# Altium PCB GiroScope.PcbDoc (part 3 of 5)
Units mm, origin at the board's own origin, x right, y up, seen from the top; angles counter-clockwise.
Board outline 183.9 x 124.16 mm, 2 copper layers (Top Layer, Bottom Layer); 299 components, 122 nets, 3052 pads, 100 vias.
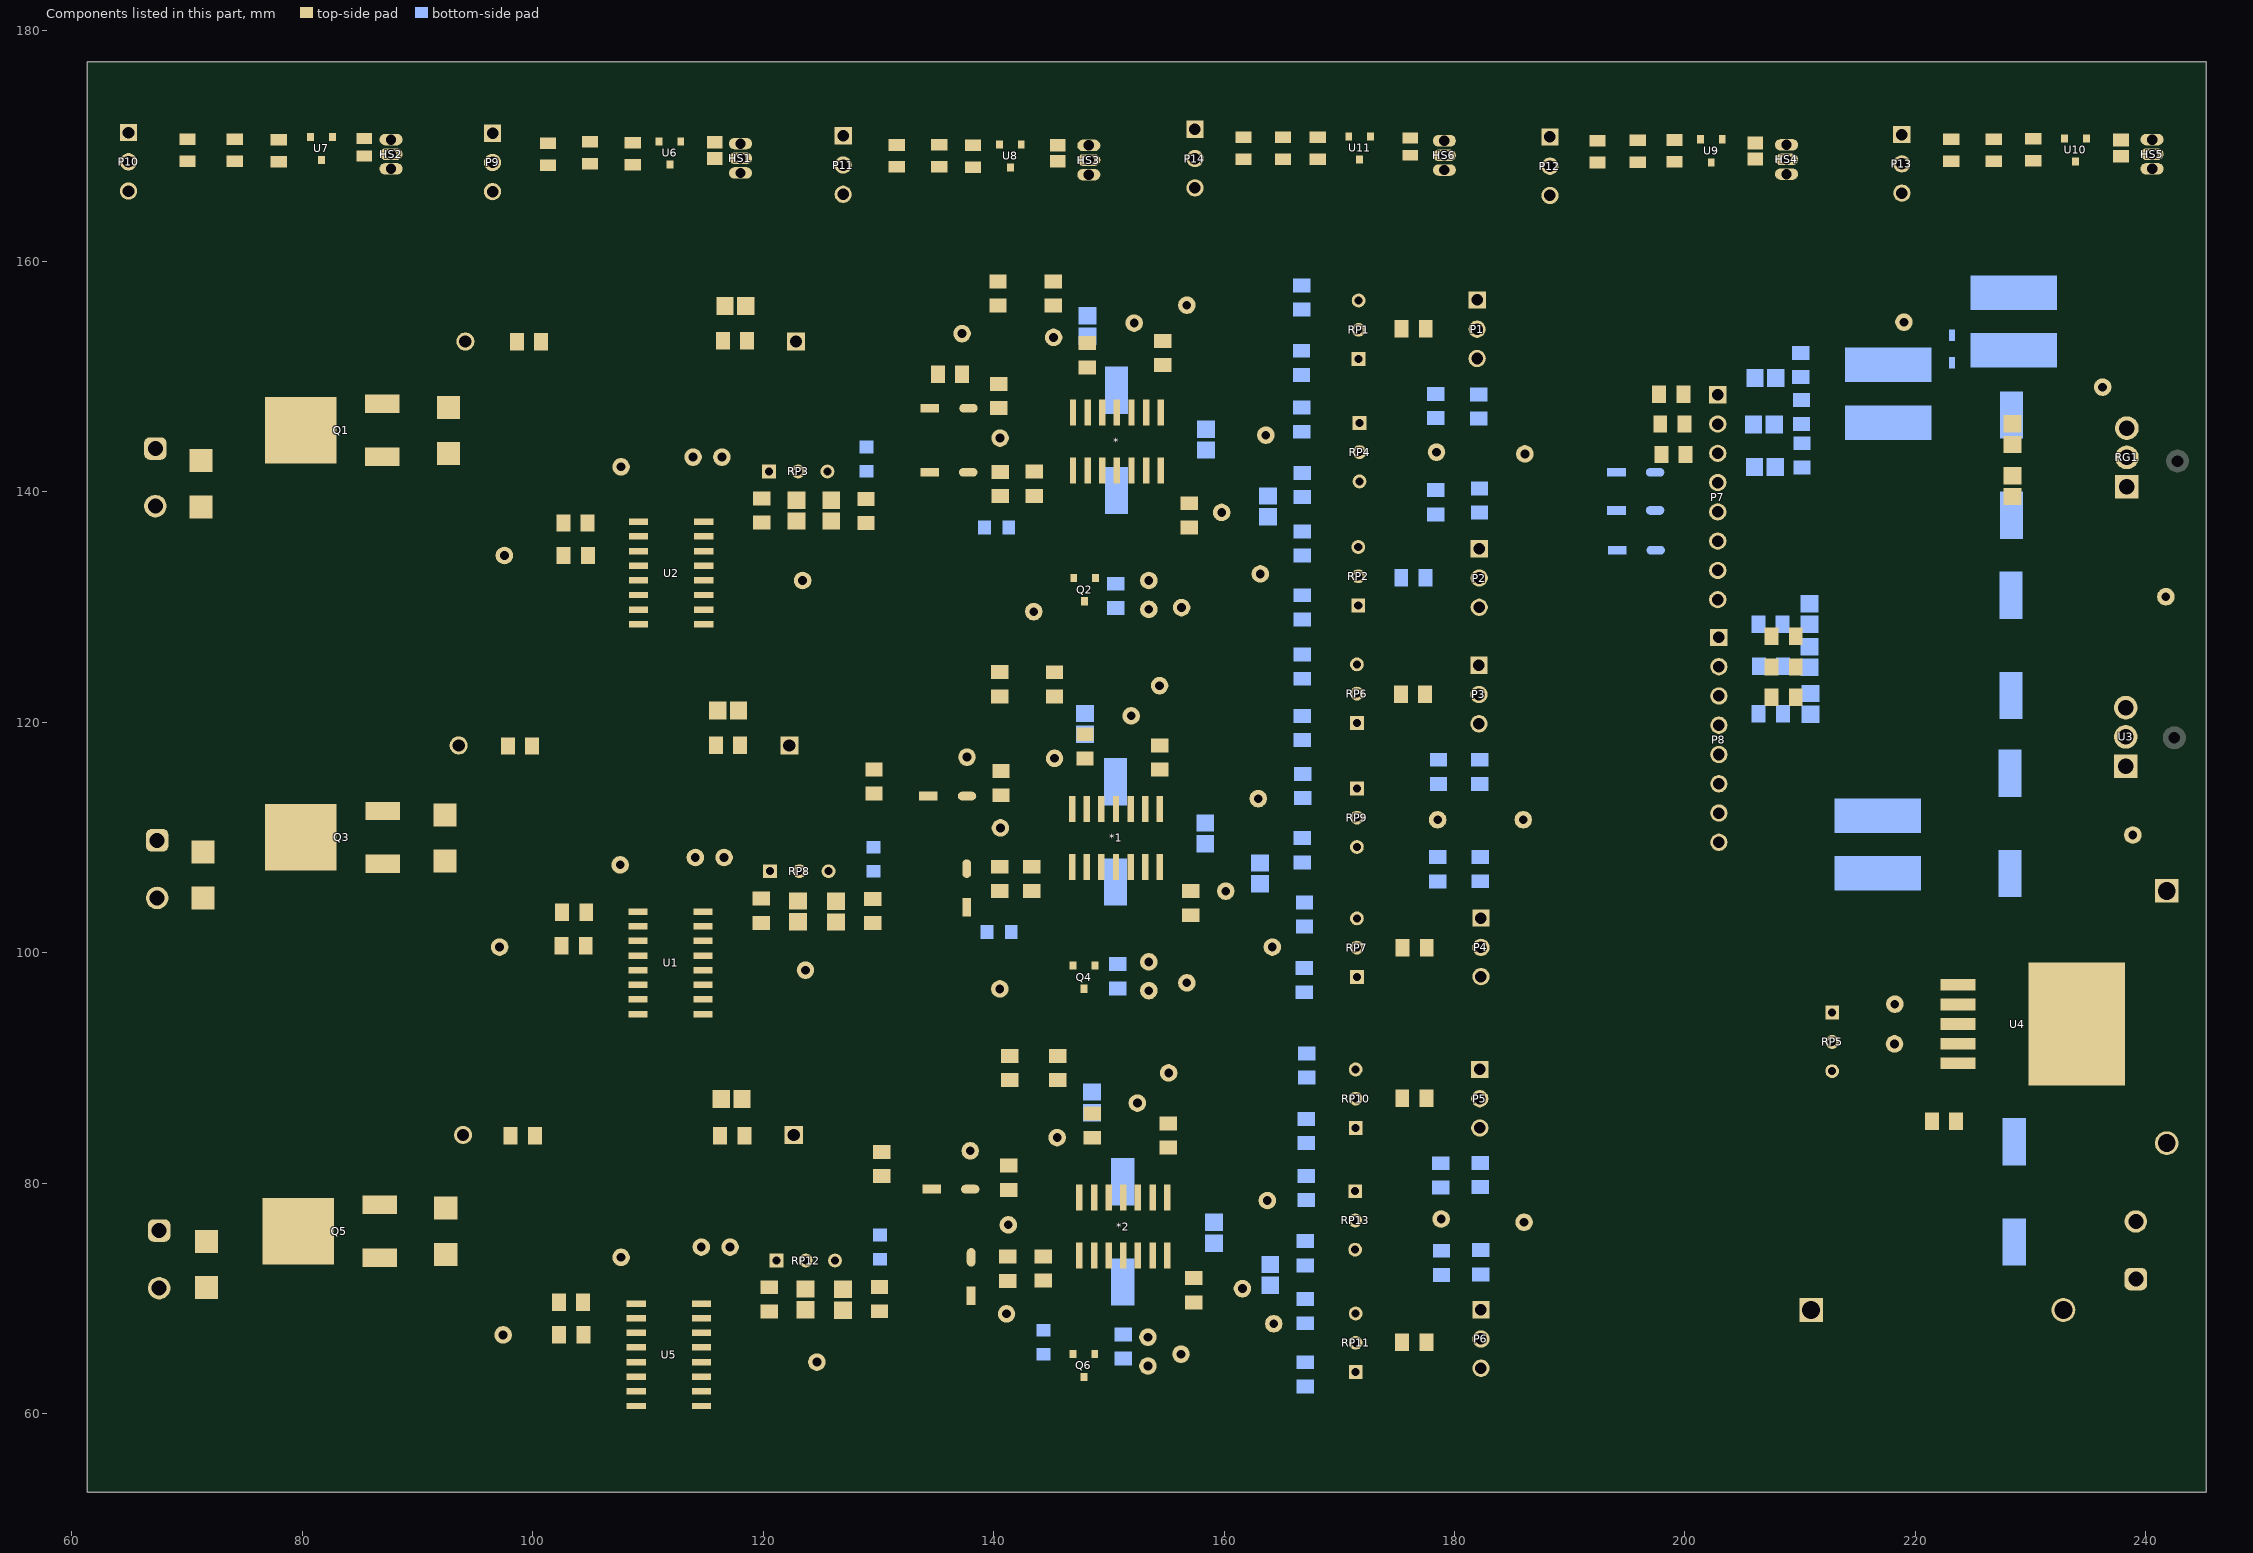
[diagram p3: the components of this part, seen from the top]

## Free pads (board coordinates)
  round 0.254 on Mech6: 1(61.163,126.771) 1(61.316,92.786) 1(245.288,92.786)
  round 0.025 on Mech7: 1(62.127,135.424) 1(62.127,135.424) 1(62.127,147.024) 1(62.127,147.024) 1(62.212,101.449) 1(62.212,101.449) 1(62.212,113.049) 1(62.212,113.049) 1(62.381,67.581) 1(62.381,67.581) 1(62.381,79.181) 1(62.381,79.181) 1(66.327,141.224) 1(66.412,107.249) 1(66.581,73.381) 1(66.827,140.724) 1(66.827,141.724) 1(66.912,106.749) 1(66.912,107.749) 1(67.081,72.881) 1(67.081,73.881) 1(67.327,141.224) 1(67.412,107.249) 1(67.581,73.381) 1(71.527,135.424) 1(71.527,135.424) 1(71.527,147.024) 1(71.527,147.024) 1(71.612,101.449) 1(71.612,101.449) 1(71.612,113.049) 1(71.612,113.049) 1(71.781,67.581) 1(71.781,67.581) 1(71.781,79.181) 1(71.781,79.181) 1(234.941,79.979) 1(234.941,79.979) 1(239.141,74.179) 1(239.641,73.679) 1(239.641,74.679) 1(240.141,74.179) 1(244.341,68.379) 1(244.341,68.379) 1(244.341,79.979) 1(244.341,79.979)
  round 0.1 on Mech14: 1(62.327,136.224) 1(62.327,136.224) 1(62.327,146.224) 1(62.327,146.224) 1(62.412,102.249) 1(62.412,102.249) 1(62.412,112.249) 1(62.412,112.249) 1(62.581,68.381) 1(62.581,68.381) 1(62.581,78.381) 1(62.581,78.381) 1(63.028,135.624) 1(63.028,135.624) 1(63.112,101.649) 1(63.112,101.649) 1(63.277,136.224) 1(63.277,136.224) 1(63.282,67.781) 1(63.282,67.781) 1(63.362,102.249) 1(63.362,102.249) 1(63.531,68.381) 1(63.531,68.381) 1(63.977,136.224) 1(63.978,136.224) 1(64.062,102.249) 1(64.062,102.249) 1(64.228,135.624) 1(64.228,135.624) 1(64.231,68.381) 1(64.232,68.381) 1(64.312,101.649) 1(64.312,101.649) 1(64.482,67.781) 1(64.482,67.781) 1(68.227,146.824) 1(68.227,146.824) 1(68.312,112.849) 1(68.312,112.849) 1(68.477,146.224) 1(68.477,146.224) 1(68.481,78.981) 1(68.481,78.981) 1(68.561,112.249) 1(68.561,112.249) 1(68.731,78.381) 1(68.731,78.381) 1(69.177,146.224) 1(69.178,146.224) 1(69.262,112.249) 1(69.262,112.249) 1(69.427,146.824) 1(69.427,146.824) 1(69.431,78.381) 1(69.432,78.381) 1(69.512,112.849) 1(69.512,112.849) 1(69.681,78.981) 1(69.681,78.981) 1(71.327,136.224) 1(71.327,136.224) 1(71.327,146.224) 1(71.327,146.224) 1(71.412,102.249) 1(71.412,102.249) 1(71.412,112.249) 1(71.412,112.249) 1(71.581,68.381) 1(71.581,68.381) 1(71.581,78.381) 1(71.581,78.381) 1(118.148,139.272) 1(118.148,139.272) 1(118.148,144.232) 1(118.148,144.232) 1(118.249,104.581) 1(118.249,104.581) 1(118.249,109.541) 1(118.249,109.541) 1(118.808,70.794) 1(118.808,70.794) 1(118.808,75.754) 1(118.808,75.754) 1(127.928,139.272) 1(127.928,139.272) 1(127.928,144.232) 1(127.928,144.232) 1(128.029,104.581) 1(128.029,104.581) 1(128.029,109.541) 1(128.029,109.541) 1(128.588,70.794) 1(128.588,70.794) 1(128.588,75.754) 1(128.588,75.754) 1(203.104,149.188) 1(210.104,149.188) 1(210.291,87.363) 1(210.291,87.363) 1(210.291,97.143) 1(210.291,97.143) 1(213.695,109.485) 1(215.251,87.363) 1(215.251,87.363) 1(215.251,97.143) 1(215.251,97.143) 1(223.069,107.47) 1(223.069,107.47) 1(223.069,116.37) 1(223.069,116.37) 1(223.145,121.52) 1(223.145,121.52) 1(223.145,130.42) 1(223.145,130.42) 1(223.196,138.566) 1(223.196,138.566) 1(223.196,147.466) 1(223.196,147.466) 1(223.348,70.012) 1(223.348,70.012) 1(225.644,106.07) 1(225.644,106.07) 1(225.72,131.82) 1(225.72,131.82) 1(225.771,137.166) 1(225.771,137.166) 1(226.219,106.07) 1(226.219,116.37) 1(226.295,121.52) 1(226.295,131.82) 1(226.346,137.166) 1(226.346,147.466) 1(228.219,104.22) 1(228.219,104.22) 1(228.219,104.22) 1(228.219,104.32) 1(228.219,104.32) 1(228.219,104.32) 1(228.295,133.57) 1(228.295,133.57) 1(228.295,133.57) 1(228.295,133.67) 1(228.295,133.67) 1(228.295,133.67) 1(228.346,135.316) 1(228.346,135.316) 1(228.346,135.316) 1(228.346,135.416) 1(228.346,135.416) 1(228.346,135.416) 1(230.219,106.07) 1(230.219,116.37) 1(230.295,121.52) 1(230.295,131.82) 1(230.346,137.166) 1(230.346,147.466) 1(230.498,78.912) 1(230.794,106.07) 1(230.794,106.07) 1(230.87,131.82) 1(230.87,131.82) 1(230.921,137.166) 1(230.921,137.166) 1(233.369,107.47) 1(233.369,107.47) 1(233.369,116.37) 1(233.369,116.37) 1(233.445,121.52) 1(233.445,121.52) 1(233.445,130.42) 1(233.445,130.42) 1(233.496,138.566) 1(233.496,138.566) 1(233.496,147.466) 1(233.496,147.466) 1(233.648,70.012) 1(233.648,70.012) 1(233.648,78.912) 1(233.648,78.912) 1(235.141,79.179) 1(235.141,79.179) 1(242.241,79.779) 1(242.241,79.779) 1(242.491,79.179) 1(242.491,79.179) 1(243.191,79.179) 1(243.191,79.179) 1(243.441,79.779) 1(243.441,79.779) 1(244.141,69.179) 1(244.141,69.179) 1(244.141,79.179) 1(244.141,79.179)
  round 1.016 on Mech11: 1(63.576,155.931) 1(65.354,60.452) 1(69.672,155.931) 1(71.45,60.452) 1(236.372,59.309) 1(237.388,155.905) 1(242.468,59.309) 1(243.484,155.905)
  round 1.016 on Mech10: 1(63.602,156.007) 1(65.405,60.452) 1(69.698,156.007) 1(71.501,60.452) 1(236.398,59.233) 1(237.312,155.931) 1(242.494,59.233) 1(243.408,155.931)
  round 6.096 on Mech11: 1(66.624,155.931) 1(68.402,60.452) 1(239.42,59.309) 1(240.436,155.905)
  round 6.096 on Mech10: 1(66.65,156.007) 1(68.453,60.452) 1(239.446,59.233) 1(240.36,155.931)
  round 0.1 on Mech4: 1(69.636,137.591) 1(69.636,137.591) 1(69.636,137.591) 1(69.636,137.591) 1(69.636,143.791) 1(69.636,143.791) 1(69.636,143.791) 1(69.636,143.791) 1(69.814,103.631) 1(69.814,103.631) 1(69.814,103.631) 1(69.814,103.631) 1(69.814,109.831) 1(69.814,109.831) 1(69.814,109.831) 1(69.814,109.831) 1(70.119,69.823) 1(70.119,69.823) 1(70.119,69.823) 1(70.119,69.823) 1(70.119,76.023) 1(70.119,76.023) 1(70.119,76.023) 1(70.119,76.023) 1(72.756,137.591) 1(72.756,137.591) 1(72.756,137.591) 1(72.756,137.591) 1(72.756,143.791) 1(72.756,143.791) 1(72.756,143.791) 1(72.756,143.791) 1(72.934,103.631) 1(72.934,103.631) 1(72.934,103.631) 1(72.934,103.631) 1(72.934,109.831) 1(72.934,109.831) 1(72.934,109.831) 1(72.934,109.831) 1(73.239,69.823) 1(73.239,69.823) 1(73.239,69.823) 1(73.239,69.823) 1(73.239,76.023) 1(73.239,76.023) 1(73.239,76.023) 1(73.239,76.023) 1(76.454,72.354) 1(76.454,72.354) 1(76.454,72.354) 1(76.454,72.354) 1(76.454,79.284) 1(76.454,79.284) 1(76.454,79.284) 1(76.454,79.284) 1(76.683,106.542) 1(76.683,106.542) 1(76.683,106.542) 1(76.683,106.542) 1(76.683,113.472) 1(76.683,113.472) 1(76.683,113.472) 1(76.683,113.472) 1(77.572,141.874) 1(77.572,141.874) 1(77.572,141.874) 1(77.572,141.874) 1(77.572,148.804) 1(77.572,148.804) 1(77.572,148.804) 1(77.572,148.804) 1(88.344,72.354) 1(88.344,72.354) 1(88.344,72.354) 1(88.344,72.354) 1(88.344,79.284) 1(88.344,79.284) 1(88.344,79.284) 1(88.344,79.284) 1(88.573,106.542) 1(88.573,106.542) 1(88.573,106.542) 1(88.573,106.542) 1(88.573,113.472) 1(88.573,113.472) 1(88.573,113.472) 1(88.573,113.472) 1(89.462,141.874) 1(89.462,141.874) 1(89.462,141.874) 1(89.462,141.874) 1(89.462,148.804) 1(89.462,148.804) 1(89.462,148.804) 1(89.462,148.804) 1(90.845,106.857) 1(90.845,106.857) 1(90.845,106.857) 1(90.845,106.857) 1(90.845,113.057) 1(90.845,113.057) 1(90.845,113.057) 1(90.845,113.057) 1(90.896,72.719) 1(90.896,72.719) 1(90.896,72.719) 1(90.896,72.719) 1(90.896,78.919) 1(90.896,78.919) 1(90.896,78.919) 1(90.896,78.919) 1(91.125,142.213) 1(91.125,142.213) 1(91.125,142.213) 1(91.125,142.213) 1(91.125,148.413) 1(91.125,148.413) 1(91.125,148.413) 1(91.125,148.413) 1(93.965,106.857) 1(93.965,106.857) 1(93.965,106.857) 1(93.965,106.857) 1(93.965,113.057) 1(93.965,113.057) 1(93.965,113.057) 1(93.965,113.057) 1(94.016,72.719) 1(94.016,72.719) 1(94.016,72.719) 1(94.016,72.719) 1(94.016,78.919) 1(94.016,78.919) 1(94.016,78.919) 1(94.016,78.919) 1(94.245,142.213) 1(94.245,142.213) 1(94.245,142.213) 1(94.245,142.213) 1(94.245,148.413) 1(94.245,148.413) 1(94.245,148.413) 1(94.245,148.413) 1(96.738,116.678) 1(96.738,116.678) 1(96.738,116.678) 1(96.738,116.678) 1(96.738,119.186) 1(96.738,119.186) 1(96.738,119.186) 1(96.738,119.186) 1(96.982,82.845) 1(96.982,82.845) 1(96.982,82.845) 1(96.982,82.845) 1(96.982,85.353) 1(96.982,85.353) 1(96.982,85.353) 1(96.982,85.353) 1(97.525,151.756) 1(97.525,151.756) 1(97.525,151.756) 1(97.525,151.756) 1(97.525,154.264) 1(97.525,154.264) 1(97.525,154.264) 1(97.525,154.264) 1(101.046,116.678) 1(101.046,116.678) 1(101.046,116.678) 1(101.046,116.678) 1(101.046,119.186) 1(101.046,119.186) 1(101.046,119.186) 1(101.046,119.186) 1(101.164,68.418) 1(101.164,68.418) 1(101.164,68.418) 1(101.164,68.418) 1(101.164,70.926) 1(101.164,70.926) 1(101.164,70.926) 1(101.164,70.926) 1(101.189,65.599) 1(101.189,65.599) 1(101.189,65.599) 1(101.189,65.599) 1(101.189,68.107) 1(101.189,68.107) 1(101.189,68.107) 1(101.189,68.107) 1(101.29,82.845) 1(101.29,82.845) 1(101.29,82.845) 1(101.29,82.845) 1(101.29,85.353) 1(101.29,85.353) 1(101.29,85.353) 1(101.29,85.353) 1(101.402,99.33) 1(101.402,99.33) 1(101.402,99.33) 1(101.402,99.33) 1(101.402,101.838) 1(101.402,101.838) 1(101.402,101.838) 1(101.402,101.838) 1(101.443,102.251) 1(101.443,102.251) 1(101.443,102.251) 1(101.443,102.251) 1(101.443,104.759) 1(101.443,104.759) 1(101.443,104.759) 1(101.443,104.759) 1(101.554,136.033) 1(101.554,136.033) 1(101.554,136.033) 1(101.554,136.033) 1(101.554,138.541) 1(101.554,138.541) 1(101.554,138.541) 1(101.554,138.541) 1(101.579,133.214) 1(101.579,133.214) 1(101.579,133.214) 1(101.579,133.214) 1(101.579,135.722) 1(101.579,135.722) 1(101.579,135.722) 1(101.579,135.722) 1(101.833,151.756) 1(101.833,151.756) 1(101.833,151.756) 1(101.833,151.756) 1(101.833,154.264) 1(101.833,154.264) 1(101.833,154.264) 1(101.833,154.264) 1(105.472,68.418) 1(105.472,68.418) 1(105.472,68.418) 1(105.472,68.418) 1(105.472,70.926) 1(105.472,70.926) 1(105.472,70.926) 1(105.472,70.926) 1(105.497,65.599) 1(105.497,65.599) 1(105.497,65.599) 1(105.497,65.599) 1(105.497,68.107) 1(105.497,68.107) 1(105.497,68.107) 1(105.497,68.107) 1(105.71,99.33) 1(105.71,99.33) 1(105.71,99.33) 1(105.71,99.33) 1(105.71,101.838) 1(105.71,101.838) 1(105.71,101.838) 1(105.71,101.838) 1(105.751,102.251) 1(105.751,102.251) 1(105.751,102.251) 1(105.751,102.251) 1(105.751,104.759) 1(105.751,104.759) 1(105.751,104.759) 1(105.751,104.759) 1(105.862,136.033) 1(105.862,136.033) 1(105.862,136.033) 1(105.862,136.033) 1(105.862,138.541) 1(105.862,138.541) 1(105.862,138.541) 1(105.862,138.541) 1(105.888,133.214) 1(105.888,133.214) 1(105.888,133.214) 1(105.888,133.214) 1(105.888,135.722) 1(105.888,135.722) 1(105.888,135.722) 1(105.888,135.722) 1(114.787,116.729) 1(114.787,116.729) 1(114.787,116.729) 1(114.787,116.729) 1(114.787,119.237) 1(114.787,119.237) 1(114.787,119.237) 1(114.787,119.237) 1(115.168,82.845) 1(115.168,82.845) 1(115.168,82.845) 1(115.168,82.845) 1(115.168,85.353) 1(115.168,85.353) 1(115.168,85.353) 1(115.168,85.353) 1(115.397,151.832) 1(115.397,151.832) 1(115.397,151.832) 1(115.397,151.832) 1(115.397,154.34) 1(115.397,154.34) 1(115.397,154.34) 1(115.397,154.34) 1(118.048,139.172) 1(118.048,139.172) 1(118.048,139.172) 1(118.048,139.172) 1(118.048,144.332) 1(118.048,144.332) 1(118.048,144.332) 1(118.048,144.332) 1(118.149,104.481) 1(118.149,104.481) 1(118.149,104.481) 1(118.149,104.481) 1(118.149,109.641) 1(118.149,109.641) 1(118.149,109.641) 1(118.149,109.641) 1(118.583,101.478) 1(118.583,101.478) 1(118.583,101.478) 1(118.583,101.478) 1(118.583,105.786) 1(118.583,105.786) 1(118.583,105.786) 1(118.583,105.786) 1(118.609,136.216) 1(118.609,136.216) 1(118.609,136.216) 1(118.609,136.216) 1(118.609,140.524) 1(118.609,140.524) 1(118.609,140.524) 1(118.609,140.524) 1(118.708,70.694) 1(118.708,70.694) 1(118.708,70.694) 1(118.708,70.694) 1(118.708,75.854) 1(118.708,75.854) 1(118.708,75.854) 1(118.708,75.854) 1(119.096,116.729) 1(119.096,116.729) 1(119.096,116.729) 1(119.096,116.729) 1(119.096,119.237) 1(119.096,119.237) 1(119.096,119.237) 1(119.096,119.237) 1(119.269,67.756) 1(119.269,67.756) 1(119.269,67.756) 1(119.269,67.756) 1(119.269,72.064) 1(119.269,72.064) 1(119.269,72.064) 1(119.269,72.064) 1(119.477,82.845) 1(119.477,82.845) 1(119.477,82.845) 1(119.477,82.845) 1(119.477,85.353) 1(119.477,85.353) 1(119.477,85.353) 1(119.477,85.353) 1(119.705,151.832) 1(119.705,151.832) 1(119.705,151.832) 1(119.705,151.832) 1(119.705,154.34) 1(119.705,154.34) 1(119.705,154.34) 1(119.705,154.34) 1(121.091,101.478) 1(121.091,101.478) 1(121.091,101.478) 1(121.091,101.478) 1(121.091,105.786) 1(121.091,105.786) 1(121.091,105.786) 1(121.091,105.786) 1(121.117,136.216) 1(121.117,136.216) 1(121.117,136.216) 1(121.117,136.216) 1(121.117,140.524) 1(121.117,140.524) 1(121.117,140.524) 1(121.117,140.524) 1(121.607,136.201) 1(121.607,136.201) 1(121.607,136.201) 1(121.607,136.201) 1(121.607,140.507) 1(121.607,140.507) 1(121.607,140.507) 1(121.607,140.507) 1(121.76,101.428) 1(121.76,101.428) 1(121.76,101.428) 1(121.76,101.428) 1(121.76,105.734) 1(121.76,105.734) 1(121.76,105.734) 1(121.76,105.734) 1(121.777,67.756) 1(121.777,67.756) 1(121.777,67.756) 1(121.777,67.756) 1(121.777,72.064) 1(121.777,72.064) 1(121.777,72.064) 1(121.777,72.064) 1(122.395,67.761) 1(122.395,67.761) 1(122.395,67.761) 1(122.395,67.761) 1(122.395,72.068) 1(122.395,72.068) 1(122.395,72.068) 1(122.395,72.068) 1(124.163,136.201) 1(124.163,136.201) 1(124.163,136.201) 1(124.163,136.201) 1(124.163,140.507) 1(124.163,140.507) 1(124.163,140.507) 1(124.163,140.507) 1(124.316,101.428) 1(124.316,101.428) 1(124.316,101.428) 1(124.316,101.428) 1(124.316,105.734) 1(124.316,105.734) 1(124.316,105.734) 1(124.316,105.734) 1(124.63,136.201) 1(124.63,136.201) 1(124.63,136.201) 1(124.63,136.201) 1(124.63,140.507) 1(124.63,140.507) 1(124.63,140.507) 1(124.63,140.507) 1(124.951,67.761) 1(124.951,67.761) 1(124.951,67.761) 1(124.951,67.761) 1(124.951,72.068) 1(124.951,72.068) 1(124.951,72.068) 1(124.951,72.068) 1(125.036,101.403) 1(125.036,101.403) 1(125.036,101.403) 1(125.036,101.403) 1(125.036,105.709) 1(125.036,105.709) 1(125.036,105.709) 1(125.036,105.709) 1(125.646,67.722) 1(125.646,67.722) 1(125.646,67.722) 1(125.646,67.722) 1(125.646,72.029) 1(125.646,72.029) 1(125.646,72.029) 1(125.646,72.029) 1(127.186,136.201) 1(127.186,136.201) 1(127.186,136.201) 1(127.186,136.201) 1(127.186,140.507) 1(127.186,140.507) 1(127.186,140.507) 1(127.186,140.507) 1(127.592,101.403) 1(127.592,101.403) 1(127.592,105.709) 1(127.592,105.709) 1(127.592,101.403) 1(127.592,101.403) 1(127.592,105.709) 1(127.592,105.709) 1(127.676,136.174) 1(127.676,136.174) 1(127.676,136.174) 1(127.676,136.174) 1(127.676,140.483) 1(127.676,140.483) 1(127.676,140.483) 1(127.676,140.483) 1(128.028,139.172) 1(128.028,139.172) 1(128.028,139.172) 1(128.028,139.172) 1(128.028,144.332) 1(128.028,144.332) 1(128.028,144.332) 1(128.028,144.332) 1(128.129,104.481) 1(128.129,104.481) 1(128.129,104.481) 1(128.129,104.481) 1(128.129,109.641) 1(128.129,109.641) 1(128.129,109.641) 1(128.129,109.641) 1(128.202,67.722) 1(128.202,67.722) 1(128.202,72.029) 1(128.202,72.029) 1(128.202,67.722) 1(128.202,67.722) 1(128.202,72.029) 1(128.202,72.029) 1(128.206,141.124) 1(128.206,141.124) 1(128.206,141.124) 1(128.206,141.124) 1(128.206,144.524) 1(128.206,144.524) 1(128.206,144.524) 1(128.206,144.524) 1(128.261,101.452) 1(128.261,101.452) 1(128.261,101.452) 1(128.261,101.452) 1(128.261,105.761) 1(128.261,105.761) 1(128.261,105.761) 1(128.261,105.761) 1(128.688,70.694) 1(128.688,70.694) 1(128.688,70.694) 1(128.688,70.694) 1(128.688,75.854) 1(128.688,75.854) 1(128.688,75.854) 1(128.688,75.854) 1(128.79,106.402) 1(128.79,106.402) 1(128.79,106.402) 1(128.79,106.402) 1(128.79,109.802) 1(128.79,109.802) 1(128.79,109.802) 1(128.79,109.802) 1(128.845,67.772) 1(128.845,67.772) 1(128.845,67.772) 1(128.845,67.772) 1(128.845,72.08) 1(128.845,72.08) 1(128.845,72.08) 1(128.845,72.08) 1(129.375,72.747) 1(129.375,72.747) 1(129.375,72.747) 1(129.375,72.747) 1(129.375,76.147) 1(129.375,76.147) 1(129.375,76.147) 1(129.375,76.147) 1(129.756,141.124) 1(129.756,141.124) 1(129.756,141.124) 1(129.756,141.124) 1(129.756,144.524) 1(129.756,144.524) 1(129.756,144.524) 1(129.756,144.524) 1(130.184,136.174) 1(130.184,136.174) 1(130.184,136.174) 1(130.184,136.174) 1(130.184,140.483) 1(130.184,140.483) 1(130.184,140.483) 1(130.184,140.483) 1(130.34,106.402) 1(130.34,106.402) 1(130.34,106.402) 1(130.34,106.402) 1(130.34,109.802) 1(130.34,109.802) 1(130.34,109.802) 1(130.34,109.802) 1(130.724,136.174) 1(130.724,136.174) 1(130.724,136.174) 1(130.724,136.174) 1(130.724,140.483) 1(130.724,140.483) 1(130.724,140.483) 1(130.724,140.483) 1(130.769,101.452) 1(130.769,101.452) 1(130.769,101.452) 1(130.769,101.452) 1(130.769,105.761) 1(130.769,105.761) 1(130.769,105.761) 1(130.769,105.761) 1(130.925,72.747) 1(130.925,72.747) 1(130.925,72.747) 1(130.925,72.747) 1(130.925,76.147) 1(130.925,76.147) 1(130.925,76.147) 1(130.925,76.147) 1(131.283,101.478) 1(131.283,101.478) 1(131.283,101.478) 1(131.283,101.478) 1(131.283,105.786) 1(131.283,105.786) 1(131.283,105.786) 1(131.283,105.786) 1(131.353,67.772) 1(131.353,67.772) 1(131.353,67.772) 1(131.353,67.772) 1(131.353,72.08) 1(131.353,72.08) 1(131.353,72.08) 1(131.353,72.08) 1(133.232,136.174) 1(133.232,136.174) 1(133.232,136.174) 1(133.232,136.174) 1(133.232,140.483) 1(133.232,140.483) 1(133.232,140.483) 1(133.232,140.483) 1(133.791,101.478) 1(133.791,101.478) 1(133.791,101.478) 1(133.791,101.478) 1(133.791,105.786) 1(133.791,105.786) 1(133.791,105.786) 1(133.791,105.786) 1(210.191,87.263) 1(210.191,87.263) 1(210.191,87.263) 1(210.191,87.263) 1(210.191,97.243) 1(210.191,97.243) 1(210.191,97.243) 1(210.191,97.243) 1(215.351,87.263) 1(215.351,87.263) 1(215.351,87.263) 1(215.351,87.263) 1(215.351,97.243) 1(215.351,97.243) 1(215.351,97.243) 1(215.351,97.243) 1(220.324,84.115) 1(220.324,84.115) 1(220.324,84.115) 1(220.324,84.115) 1(220.324,86.623) 1(220.324,86.623) 1(220.324,86.623) 1(220.324,86.623) 1(222.065,88.372) 1(222.065,88.372) 1(222.065,88.372) 1(222.065,88.372) 1(224.633,84.115) 1(224.633,84.115) 1(224.633,84.115) 1(224.633,84.115) 1(224.633,86.623) 1(224.633,86.623) 1(224.633,86.623) 1(224.633,86.623) 1(227.144,138.334) 1(227.144,138.334) 1(227.144,138.334) 1(227.144,138.334) 1(227.144,142.641) 1(227.144,142.641) 1(227.144,142.641) 1(227.144,142.641) 1(227.144,142.844) 1(227.144,142.844) 1(227.144,142.844) 1(227.144,142.844) 1(227.144,147.15) 1(227.144,147.15) 1(227.144,147.15) 1(227.144,147.15) 1(229.7,138.334) 1(229.7,138.334) 1(229.7,138.334) 1(229.7,138.334) 1(229.7,142.641) 1(229.7,142.641) 1(229.7,142.641) 1(229.7,142.641) 1(229.7,142.844) 1(229.7,142.844) 1(229.7,142.844) 1(229.7,142.844) 1(229.7,147.15) 1(229.7,147.15) 1(229.7,147.15) 1(229.7,147.15) 1(238.285,88.372) 1(238.285,88.372) 1(238.285,88.372) 1(238.285,88.372) 1(238.285,99.232) 1(238.285,99.232) 1(238.285,99.232) 1(238.285,99.232)
  round 0.075 on Mech8: 1(69.736,138.406) 1(69.736,138.406) 1(69.736,142.976) 1(69.736,142.976) 1(69.914,104.446) 1(69.914,104.446) 1(69.914,109.016) 1(69.914,109.016) 1(70.219,70.638) 1(70.219,70.638) 1(70.219,75.208) 1(70.219,75.208) 1(72.656,138.406) 1(72.656,138.406) 1(72.656,142.976) 1(72.656,142.976) 1(72.834,104.446) 1(72.834,104.446) 1(72.834,109.016) 1(72.834,109.016) 1(73.139,70.638) 1(73.139,70.638) 1(73.139,75.208) 1(73.139,75.208) 1(90.945,107.672) 1(90.945,107.672) 1(90.945,112.242) 1(90.945,112.242) 1(90.996,73.534) 1(90.996,73.534) 1(90.996,78.104) 1(90.996,78.104) 1(91.225,143.028) 1(91.225,143.028) 1(91.225,147.598) 1(91.225,147.598) 1(93.865,107.672) 1(93.865,107.672) 1(93.865,112.242) 1(93.865,112.242) 1(93.916,73.534) 1(93.916,73.534) 1(93.916,78.104) 1(93.916,78.104) 1(94.145,143.028) 1(94.145,143.028) 1(94.145,147.598) 1(94.145,147.598)
  round 0.1 on Mech6: 1(69.736,138.406) 1(69.736,142.976) 1(69.816,140.191) 1(69.914,104.446) 1(69.914,109.016) 1(69.994,106.231) 1(70.219,70.638) 1(70.219,75.208) 1(70.299,72.423) 1(72.576,140.191) 1(72.656,138.406) 1(72.656,142.976) 1(72.754,106.231) 1(72.834,104.446) 1(72.834,109.016) 1(73.059,72.423) 1(73.139,70.638) 1(73.139,75.208) 1(78.509,72.454) 1(78.509,72.454) 1(78.509,72.544) 1(78.509,79.094) 1(78.509,79.184) 1(78.509,79.184) 1(78.738,106.642) 1(78.738,106.642) 1(78.738,106.732) 1(78.738,113.282) 1(78.738,113.372) 1(78.738,113.372) 1(79.627,141.974) 1(79.627,141.974) 1(79.627,142.064) 1(79.627,148.614) 1(79.627,148.704) 1(79.627,148.704) 1(84.729,72.454) 1(84.729,72.454) 1(84.729,79.184) 1(84.729,79.184) 1(84.958,106.642) 1(84.958,106.642) 1(84.958,113.372) 1(84.958,113.372) 1(85.847,141.974) 1(85.847,141.974) 1(85.847,148.704) 1(85.847,148.704) 1(90.945,107.672) 1(90.945,112.242) 1(90.996,73.534) 1(90.996,78.104) 1(91.025,110.457) 1(91.076,76.319) 1(91.225,143.028) 1(91.225,147.598) 1(91.305,145.813) 1(93.785,110.457) 1(93.836,76.319) 1(93.865,107.672) 1(93.865,112.242) 1(93.916,73.534) 1(93.916,78.104) 1(94.065,145.813) 1(94.145,143.028) 1(94.145,147.598) 1(98.819,117.307) 1(98.819,118.557) 1(98.964,117.307) 1(98.964,118.557) 1(99.064,83.474) 1(99.064,84.724) 1(99.209,83.474) 1(99.209,84.724) 1(99.606,152.385) 1(99.606,153.635) 1(99.752,152.385) 1(99.752,153.635) 1(103.245,69.047) 1(103.245,70.297) 1(103.271,66.228) 1(103.271,67.478) 1(103.39,69.047) 1(103.39,70.297) 1(103.416,66.228) 1(103.416,67.478) 1(103.483,99.959) 1(103.483,101.209) 1(103.525,102.88) 1(103.525,104.13) 1(103.628,99.959) 1(103.628,101.209) 1(103.636,136.662) 1(103.636,137.912) 1(103.661,133.843) 1(103.661,135.093) 1(103.67,102.88) 1(103.67,104.13) 1(103.781,136.662) 1(103.781,137.912) 1(103.806,133.843) 1(103.806,135.093) 1(116.869,117.358) 1(116.869,118.608) 1(117.014,117.358) 1(117.014,118.608) 1(117.25,83.474) 1(117.25,84.724) 1(117.395,83.474) 1(117.395,84.724) 1(117.479,152.461) 1(117.479,153.711) 1(117.624,152.461) 1(117.624,153.711) 1(119.212,103.559) 1(119.212,103.705) 1(119.238,138.297) 1(119.238,138.442) 1(119.898,69.838) 1(119.898,69.983) 1(120.462,103.559) 1(120.462,103.705) 1(120.488,138.297) 1(120.488,138.442) 1(121.148,69.838) 1(121.148,69.983) 1(121.707,136.701) 1(121.707,140.007) 1(121.859,101.928) 1(121.859,105.234) 1(122.494,68.261) 1(122.494,71.567) 1(124.063,136.701) 1(124.063,140.007) 1(124.216,101.928) 1(124.216,105.234) 1(124.73,136.701) 1(124.73,140.007) 1(124.851,68.261) 1(124.851,71.567) 1(125.136,101.903) 1(125.136,105.209) 1(125.746,68.222) 1(125.746,71.528) 1(127.086,136.701) 1(127.086,140.007) 1(127.492,101.903) 1(127.492,105.209) 1(128.102,68.222) 1(128.102,71.528) 1(128.305,138.256) 1(128.305,138.401) 1(128.306,142.699) 1(128.306,142.949) 1(128.89,103.534) 1(128.89,103.679) 1(128.89,107.977) 1(128.89,108.227) 1(129.474,69.854) 1(129.474,69.999) 1(129.475,74.322) 1(129.475,74.572) 1(129.555,138.256) 1(129.555,138.401) 1(129.656,142.699) 1(129.656,142.949) 1(130.14,103.534) 1(130.14,103.679) 1(130.24,107.977) 1(130.24,108.227) 1(130.724,69.854) 1(130.724,69.999) 1(130.825,74.322) 1(130.825,74.572) 1(131.353,138.256) 1(131.353,138.401) 1(131.912,103.559) 1(131.912,103.705) 1(132.603,138.256) 1(132.603,138.401) 1(133.162,103.559) 1(133.162,103.705) 1(222.406,84.744) 1(222.406,85.994) 1(222.551,84.744) 1(222.551,85.994) 1(226.734,88.684) 1(226.734,88.684) 1(226.734,98.92) 1(226.734,98.92) 1(227.244,138.834) 1(227.244,142.14) 1(227.244,143.344) 1(227.244,146.65) 1(229.43,88.684) 1(229.43,98.92) 1(229.6,138.834) 1(229.6,142.14) 1(229.6,143.344) 1(229.6,146.65)
  round 0.1 on Mech8: 1(78.509,72.454) 1(78.509,72.454) 1(78.509,79.184) 1(78.509,79.184) 1(78.738,106.642) 1(78.738,106.642) 1(78.738,113.372) 1(78.738,113.372) 1(79.627,141.974) 1(79.627,141.974) 1(79.627,148.704) 1(79.627,148.704) 1(84.729,72.454) 1(84.729,72.454) 1(84.729,79.184) 1(84.729,79.184) 1(84.958,106.642) 1(84.958,106.642) 1(84.958,113.372) 1(84.958,113.372) 1(85.847,141.974) 1(85.847,141.974) 1(85.847,148.704) 1(85.847,148.704) 1(97.892,117.307) 1(97.892,117.307) 1(97.892,118.557) 1(97.892,118.557) 1(98.136,83.474) 1(98.136,83.474) 1(98.136,84.724) 1(98.136,84.724) 1(98.679,152.385) 1(98.679,152.385) 1(98.679,153.635) 1(98.679,153.635) 1(99.892,117.307) 1(99.892,117.307) 1(99.892,118.557) 1(99.892,118.557) 1(100.136,83.474) 1(100.136,83.474) 1(100.136,84.724) 1(100.136,84.724) 1(100.679,152.385) 1(100.679,152.385) 1(100.679,153.635) 1(100.679,153.635) 1(102.318,69.047) 1(102.318,69.047) 1(102.318,70.297) 1(102.318,70.297) 1(102.343,66.228) 1(102.343,66.228) 1(102.343,67.478) 1(102.343,67.478) 1(102.556,99.959) 1(102.556,99.959) 1(102.556,101.209) 1(102.556,101.209) 1(102.597,102.88) 1(102.597,102.88) 1(102.597,104.13) 1(102.597,104.13) 1(102.708,136.662) 1(102.708,136.662) 1(102.708,137.912) 1(102.708,137.912) 1(102.734,133.843) 1(102.734,133.843) 1(102.734,135.093) 1(102.734,135.093) 1(104.318,69.047) 1(104.318,69.047) 1(104.318,70.297) 1(104.318,70.297) 1(104.343,66.228) 1(104.343,66.228) 1(104.343,67.478) 1(104.343,67.478) 1(104.556,99.959) 1(104.556,99.959) 1(104.556,101.209) 1(104.556,101.209) 1(104.597,102.88) 1(104.597,102.88) 1(104.597,104.13) 1(104.597,104.13) 1(104.708,136.662) 1(104.708,136.662) 1(104.708,137.912) 1(104.708,137.912) 1(104.734,133.843) 1(104.734,133.843) 1(104.734,135.093) 1(104.734,135.093) 1(115.942,117.358) 1(115.942,117.358) 1(115.942,118.608) 1(115.942,118.608) 1(116.323,83.474) 1(116.323,83.474) 1(116.323,84.724) 1(116.323,84.724) 1(116.551,152.461) 1(116.551,152.461) 1(116.551,153.711) 1(116.551,153.711) 1(117.942,117.358) 1(117.942,117.358) 1(117.942,118.608) 1(117.942,118.608) 1(118.148,139.272) 1(118.148,139.272) 1(118.148,144.232) 1(118.148,144.232) 1(118.249,104.581) 1(118.249,104.581) 1(118.249,109.541) 1(118.249,109.541) 1(118.323,83.474) 1(118.323,83.474) 1(118.323,84.724) 1(118.323,84.724) 1(118.551,152.461) 1(118.551,152.461) 1(118.551,153.711) 1(118.551,153.711) 1(118.808,70.794) 1(118.808,70.794) 1(118.808,75.754) 1(118.808,75.754) 1(119.212,102.632) 1(119.212,102.632) 1(119.212,104.632) 1(119.212,104.632) 1(119.238,137.37) 1(119.238,137.37) 1(119.238,139.37) 1(119.238,139.37) 1(119.898,68.91) 1(119.898,68.91) 1(119.898,70.91) 1(119.898,70.91) 1(120.462,102.632) 1(120.462,102.632) 1(120.462,104.632) 1(120.462,104.632) 1(120.488,137.37) 1(120.488,137.37) 1(120.488,139.37) 1(120.488,139.37) 1(121.148,68.91) 1(121.148,68.91) 1(121.148,70.91) 1(121.148,70.91) 1(122.26,137.354) 1(122.26,137.354) 1(122.26,139.354) 1(122.26,139.354) 1(122.413,102.581) 1(122.413,102.581) 1(122.413,104.581) 1(122.413,104.581) 1(123.048,68.914) 1(123.048,68.914) 1(123.048,70.914) 1(123.048,70.914) 1(123.51,137.354) 1(123.51,137.354) 1(123.51,139.354) 1(123.51,139.354) 1(123.663,102.581) 1(123.663,102.581) 1(123.663,104.581) 1(123.663,104.581) 1(124.298,68.914) 1(124.298,68.914) 1(124.298,70.914) 1(124.298,70.914) 1(125.283,137.354) 1(125.283,137.354) 1(125.283,139.354) 1(125.283,139.354) 1(125.689,102.556) 1(125.689,102.556) 1(125.689,104.556) 1(125.689,104.556) 1(126.299,68.875) 1(126.299,68.875) 1(126.299,70.875) 1(126.299,70.875) 1(126.533,137.354) 1(126.533,137.354) 1(126.533,139.354) 1(126.533,139.354) 1(126.939,102.556) 1(126.939,102.556) 1(126.939,104.556) 1(126.939,104.556) 1(127.549,68.875) 1(127.549,68.875) 1(127.549,70.875) 1(127.549,70.875) 1(127.928,139.272) 1(127.928,139.272) 1(127.928,144.232) 1(127.928,144.232) 1(128.029,104.581) 1(128.029,104.581) 1(128.029,109.541) 1(128.029,109.541) 1(128.305,137.328) 1(128.305,137.328) 1(128.305,139.328) 1(128.305,139.328) 1(128.306,141.774) 1(128.306,141.774) 1(128.306,143.874) 1(128.306,143.874) 1(128.588,70.794) 1(128.588,70.794) 1(128.588,75.754) 1(128.588,75.754) 1(128.89,102.607) 1(128.89,102.607) 1(128.89,104.607) 1(128.89,104.607) 1(128.89,107.052) 1(128.89,107.052) 1(128.89,109.152) 1(128.89,109.152) 1(129.474,68.926) 1(129.474,68.926) 1(129.474,70.926) 1(129.474,70.926) 1(129.475,73.397) 1(129.475,73.397) 1(129.475,75.497) 1(129.475,75.497) 1(129.555,137.328) 1(129.555,137.328) 1(129.555,139.328) 1(129.555,139.328) 1(129.656,141.774) 1(129.656,141.774) 1(129.656,143.874) 1(129.656,143.874) 1(130.14,102.607) 1(130.14,102.607) 1(130.14,104.607) 1(130.14,104.607) 1(130.24,107.052) 1(130.24,107.052) 1(130.24,109.152) 1(130.24,109.152) 1(130.724,68.926) 1(130.724,68.926) 1(130.724,70.926) 1(130.724,70.926) 1(130.825,73.397) 1(130.825,73.397) 1(130.825,75.497) 1(130.825,75.497) 1(131.353,137.328) 1(131.353,137.328) 1(131.353,139.328) 1(131.353,139.328) 1(131.912,102.632) 1(131.912,102.632) 1(131.912,104.632) 1(131.912,104.632) 1(132.603,137.328) 1(132.603,137.328) 1(132.603,139.328) 1(132.603,139.328) 1(133.162,102.632) 1(133.162,102.632) 1(133.162,104.632) 1(133.162,104.632) 1(210.291,87.363) 1(210.291,87.363) 1(210.291,97.143) 1(210.291,97.143) 1(215.251,87.363) 1(215.251,87.363) 1(215.251,97.143) 1(215.251,97.143) 1(221.479,84.744) 1(221.479,84.744) 1(221.479,85.994) 1(221.479,85.994) 1(223.479,84.744) 1(223.479,84.744) 1(223.479,85.994) 1(223.479,85.994) 1(226.734,88.684) 1(226.734,88.684) 1(226.734,98.92) 1(226.734,98.92) 1(227.797,139.487) 1(227.797,139.487) 1(227.797,141.487) 1(227.797,141.487) 1(227.797,143.997) 1(227.797,143.997) 1(227.797,145.997) 1(227.797,145.997) 1(229.047,139.487) 1(229.047,139.487) 1(229.047,141.487) 1(229.047,141.487) 1(229.047,143.997) 1(229.047,143.997) 1(229.047,145.997) 1(229.047,145.997) 1(236.081,88.684) 1(236.081,88.684) 1(236.081,98.92) 1(236.081,98.92)
  round 0.127 on Mech6: 1(91.897,177.038) 1(91.897,177.038) 1(92.151,177.038) 1(92.151,177.038) 1(112.649,141.732) 1(112.649,141.732) 1(112.649,144.272) 1(112.649,144.272) 1(112.841,106.985) 1(112.841,106.985) 1(112.841,109.525) 1(112.841,109.525) 1(113.36,73.177) 1(113.36,73.177) 1(113.36,75.717) 1(113.36,75.717) 1(117.729,141.732) 1(117.729,141.732) 1(117.729,144.272) 1(117.729,144.272) 1(117.921,106.985) 1(117.921,106.985) 1(117.921,109.525) 1(117.921,109.525) 1(118.44,73.177) 1(118.44,73.177) 1(118.44,75.717) 1(118.44,75.717) 1(122.453,160.934) 1(122.453,160.934) 1(122.453,177.038) 1(122.453,177.038) 1(122.733,160.96) 1(122.733,160.96) 1(122.733,177.038) 1(122.733,177.038) 1(153.01,160.96) 1(153.01,160.96) 1(153.01,177.038) 1(153.01,177.038) 1(153.264,160.934) 1(153.264,160.934) 1(153.264,177.038) 1(153.264,177.038) 1(183.566,160.934) 1(183.566,160.934) 1(183.566,177.038) 1(183.566,177.038) 1(183.845,160.96) 1(183.845,160.96) 1(183.845,177.063) 1(183.845,177.063) 1(214.249,160.96) 1(214.249,160.96) 1(214.249,177.063) 1(214.249,177.063) 1(214.503,160.909) 1(214.503,160.909) 1(214.503,177.063) 1(214.503,177.063) 1(245.059,160.909) 1(245.059,160.909) 1(245.059,177.063) 1(245.059,177.063)
  round 0.076 on Mech4: 1(92.532,116.942) 1(92.532,116.942) 1(92.532,119.024) 1(92.532,119.024) 1(92.913,83.134) 1(92.913,83.134) 1(92.913,85.217) 1(92.913,85.217) 1(93.116,151.994) 1(93.116,151.994) 1(93.116,154.076) 1(93.116,154.076) 1(96.622,112.776) 1(96.622,112.776) 1(96.622,116.942) 1(96.622,116.942) 1(96.622,119.024) 1(96.622,119.024) 1(96.622,123.19) 1(96.622,123.19) 1(97.003,78.969) 1(97.003,78.969) 1(97.003,83.134) 1(97.003,83.134) 1(97.003,85.217) 1(97.003,85.217) 1(97.003,89.383) 1(97.003,89.383) 1(97.206,147.828) 1(97.206,147.828) 1(97.206,151.994) 1(97.206,151.994) 1(97.206,154.076) 1(97.206,154.076) 1(97.206,158.242) 1(97.206,158.242) 1(107.652,59.868) 1(107.652,59.868) 1(107.652,70.333) 1(107.652,70.333) 1(107.798,93.878) 1(107.798,93.878) 1(107.798,104.343) 1(107.798,104.343) 1(107.848,127.711) 1(107.848,127.711) 1(107.848,138.176) 1(107.848,138.176) 1(109.315,59.588) 1(109.315,59.588) 1(109.315,59.868) 1(109.315,59.868) 1(109.315,70.333) 1(109.315,70.333) 1(109.315,70.612) 1(109.315,70.612) 1(109.461,93.599) 1(109.461,93.599) 1(109.461,93.878) 1(109.461,93.878) 1(109.461,104.343) 1(109.461,104.343) 1(109.461,104.623) 1(109.461,104.623) 1(109.512,127.432) 1(109.512,127.432) 1(109.512,127.711) 1(109.512,127.711) 1(109.512,138.176) 1(109.512,138.176) 1(109.512,138.455) 1(109.512,138.455) 1(114.319,59.588) 1(114.319,59.588) 1(114.319,59.868) 1(114.319,59.868) 1(114.319,70.333) 1(114.319,70.333) 1(114.319,70.612) 1(114.319,70.612) 1(114.465,93.599) 1(114.465,93.599) 1(114.465,93.878) 1(114.465,93.878) 1(114.465,104.343) 1(114.465,104.343) 1(114.465,104.623) 1(114.465,104.623) 1(114.516,127.432) 1(114.516,127.432) 1(114.516,127.711) 1(114.516,127.711) 1(114.516,138.176) 1(114.516,138.176) 1(114.516,138.455) 1(114.516,138.455) 1(115.983,59.868) 1(115.983,59.868) 1(115.983,70.333) 1(115.983,70.333) 1(116.129,93.878) 1(116.129,93.878) 1(116.129,104.343) 1(116.129,104.343) 1(116.18,127.711) 1(116.18,127.711) 1(116.18,138.176) 1(116.18,138.176) 1(119.228,112.776) 1(119.228,112.776) 1(119.228,116.942) 1(119.228,116.942) 1(119.228,119.024) 1(119.228,119.024) 1(119.228,123.19) 1(119.228,123.19) 1(119.609,78.969) 1(119.609,78.969) 1(119.609,83.134) 1(119.609,83.134) 1(119.609,85.217) 1(119.609,85.217) 1(119.609,89.383) 1(119.609,89.383) 1(119.812,147.828) 1(119.812,147.828) 1(119.812,151.994) 1(119.812,151.994) 1(119.812,154.076) 1(119.812,154.076) 1(119.812,158.242) 1(119.812,158.242) 1(123.317,116.942) 1(123.317,116.942) 1(123.317,119.024) 1(123.317,119.024) 1(123.698,83.134) 1(123.698,83.134) 1(123.698,85.217) 1(123.698,85.217) 1(123.901,151.994) 1(123.901,151.994) 1(123.901,154.076) 1(123.901,154.076) 1(238.9,89.408) 1(238.9,89.408) 1(238.9,99.416) 1(238.9,99.416) 1(240.525,82.182) 1(240.525,82.182) 1(240.525,89.408) 1(240.525,89.408) 1(240.525,99.416) 1(240.525,99.416) 1(240.525,106.642) 1(240.525,106.642) 1(243.091,82.182) 1(243.091,82.182) 1(243.091,89.408) 1(243.091,89.408) 1(243.091,99.416) 1(243.091,99.416) 1(243.091,106.642) 1(243.091,106.642) 1(244.716,89.408) 1(244.716,89.408) 1(244.716,99.416) 1(244.716,99.416)
  round 0.013 on Mech5: 1(93.574,117.983) 1(93.955,84.176) 1(94.158,153.035) 1(96.876,113.03) 1(96.876,113.03) 1(96.876,117.983) 1(96.876,122.936) 1(96.876,122.936) 1(97.257,79.223) 1(97.257,79.223) 1(97.257,84.176) 1(97.257,89.129) 1(97.257,89.129) 1(97.46,148.082) 1(97.46,148.082) 1(97.46,153.035) 1(97.46,157.988) 1(97.46,157.988) 1(108.718,60.401) 1(108.718,60.401) 1(108.718,60.909) 1(108.718,60.909) 1(108.718,64.211) 1(108.718,64.211) 1(108.718,64.719) 1(108.718,64.719) 1(108.718,65.481) 1(108.718,65.481) 1(108.718,65.989) 1(108.718,65.989) 1(108.718,66.751) 1(108.718,66.751) 1(108.718,67.259) 1(108.718,67.259) 1(108.718,68.021) 1(108.718,68.021) 1(108.718,68.529) 1(108.718,68.529) 1(108.718,69.291) 1(108.718,69.291) 1(108.718,69.799) 1(108.718,69.799) 1(108.864,94.412) 1(108.864,94.412) 1(108.864,94.92) 1(108.864,94.92) 1(108.864,95.682) 1(108.864,95.682) 1(108.864,96.19) 1(108.864,96.19) 1(108.864,96.952) 1(108.864,96.952) 1(108.864,97.46) 1(108.864,97.46) 1(108.864,98.222) 1(108.864,98.222) 1(108.864,98.73) 1(108.864,98.73) 1(108.864,99.492) 1(108.864,99.492) 1(108.864,100) 1(108.864,100) 1(108.864,100.762) 1(108.864,100.762) 1(108.864,101.27) 1(108.864,101.27) 1(108.864,102.032) 1(108.864,102.032) 1(108.864,102.54) 1(108.864,102.54) 1(108.864,103.302) 1(108.864,103.302) 1(108.864,103.81) 1(108.864,103.81) 1(108.915,128.245) 1(108.915,128.245) 1(108.915,128.753) 1(108.915,128.753) 1(108.915,129.515) 1(108.915,129.515) 1(108.915,130.023) 1(108.915,130.023) 1(108.915,130.785) 1(108.915,130.785) 1(108.915,131.293) 1(108.915,131.293) 1(108.915,132.055) 1(108.915,132.055) 1(108.915,132.563) 1(108.915,132.563) 1(108.915,133.325) 1(108.915,133.325) 1(108.915,133.833) 1(108.915,133.833) 1(108.915,134.595) 1(108.915,134.595) 1(108.915,135.103) 1(108.915,135.103) 1(108.915,135.865) 1(108.915,135.865) 1(108.915,136.373) 1(108.915,136.373) 1(108.915,137.135) 1(108.915,137.135) 1(108.915,137.643) 1(108.915,137.643) 1(109.823,60.096) 1(109.823,60.096) 1(109.823,60.401) 1(109.823,60.401) 1(109.823,60.909) 1(109.823,60.909) 1(109.823,64.211) 1(109.823,64.211) 1(109.823,64.719) 1(109.823,64.719) 1(109.823,65.481) 1(109.823,65.481) 1(109.823,65.989) 1(109.823,65.989) 1(109.823,66.751) 1(109.823,66.751) 1(109.823,67.259) 1(109.823,67.259) 1(109.823,68.021) 1(109.823,68.021) 1(109.823,68.529) 1(109.823,68.529) 1(109.823,69.291) 1(109.823,69.291) 1(109.823,69.799) 1(109.823,69.799) 1(109.823,70.104) 1(109.823,70.104) 1(109.969,94.107) 1(109.969,94.107) 1(109.969,94.412) 1(109.969,94.412) 1(109.969,94.92) 1(109.969,94.92) 1(109.969,95.682) 1(109.969,95.682) 1(109.969,96.19) 1(109.969,96.19) 1(109.969,96.952) 1(109.969,96.952) 1(109.969,97.46) 1(109.969,97.46) 1(109.969,98.222) 1(109.969,98.222) 1(109.969,98.73) 1(109.969,98.73) 1(109.969,99.492) 1(109.969,99.492) 1(109.969,100) 1(109.969,100) 1(109.969,100.762) 1(109.969,100.762) 1(109.969,101.27) 1(109.969,101.27) 1(109.969,102.032) 1(109.969,102.032) 1(109.969,102.54) 1(109.969,102.54) 1(109.969,103.302) 1(109.969,103.302) 1(109.969,103.81) 1(109.969,103.81) 1(109.969,104.115) 1(109.969,104.115) 1(110.02,127.94) 1(110.02,127.94) 1(110.02,128.245) 1(110.02,128.245) 1(110.02,128.753) 1(110.02,128.753) 1(110.02,129.515) 1(110.02,129.515) 1(110.02,130.023) 1(110.02,130.023) 1(110.02,130.785) 1(110.02,130.785) 1(110.02,131.293) 1(110.02,131.293) 1(110.02,132.055) 1(110.02,132.055) 1(110.02,132.563) 1(110.02,132.563) 1(110.02,133.325) 1(110.02,133.325) 1(110.02,133.833) 1(110.02,133.833) 1(110.02,134.595) 1(110.02,134.595) 1(110.02,135.103) 1(110.02,135.103) 1(110.02,135.865) 1(110.02,135.865) 1(110.02,136.373) 1(110.02,136.373) 1(110.02,137.135) 1(110.02,137.135) 1(110.02,137.643) 1(110.02,137.643) 1(110.02,137.947) 1(110.02,137.947) 1(113.811,60.096) 1(113.811,60.096) 1(113.811,60.401) 1(113.811,60.401) 1(113.811,60.909) 1(113.811,60.909) 1(113.811,64.211) 1(113.811,64.211) 1(113.811,64.719) 1(113.811,64.719) 1(113.811,65.481) 1(113.811,65.481) 1(113.811,65.989) 1(113.811,65.989) 1(113.811,66.751) 1(113.811,66.751) 1(113.811,67.259) 1(113.811,67.259) 1(113.811,68.021) 1(113.811,68.021) 1(113.811,68.529) 1(113.811,68.529) 1(113.811,69.291) 1(113.811,69.291) 1(113.811,69.799) 1(113.811,69.799) 1(113.811,70.104) 1(113.811,70.104) 1(113.957,94.107) 1(113.957,94.107) 1(113.957,94.412) 1(113.957,94.412) 1(113.957,94.92) 1(113.957,94.92) 1(113.957,95.682) 1(113.957,95.682) 1(113.957,96.19) 1(113.957,96.19) 1(113.957,96.952) 1(113.957,96.952) 1(113.957,97.46) 1(113.957,97.46) 1(113.957,98.222) 1(113.957,98.222) 1(113.957,98.73) 1(113.957,98.73) 1(113.957,99.492) 1(113.957,99.492) 1(113.957,100) 1(113.957,100) 1(113.957,100.762) 1(113.957,100.762) 1(113.957,101.27) 1(113.957,101.27) 1(113.957,102.032) 1(113.957,102.032) 1(113.957,102.54) 1(113.957,102.54) 1(113.957,103.302) 1(113.957,103.302) 1(113.957,103.81) 1(113.957,103.81) 1(113.957,104.115) 1(113.957,104.115) 1(114.008,127.94) 1(114.008,127.94) 1(114.008,128.245) 1(114.008,128.245) 1(114.008,128.753) 1(114.008,128.753) 1(114.008,129.515) 1(114.008,129.515) 1(114.008,130.023) 1(114.008,130.023) 1(114.008,130.785) 1(114.008,130.785) 1(114.008,131.293) 1(114.008,131.293) 1(114.008,132.055) 1(114.008,132.055) 1(114.008,132.563) 1(114.008,132.563) 1(114.008,133.325) 1(114.008,133.325) 1(114.008,133.833) 1(114.008,133.833) 1(114.008,134.595) 1(114.008,134.595) 1(114.008,135.103) 1(114.008,135.103) 1(114.008,135.865) 1(114.008,135.865) 1(114.008,136.373) 1(114.008,136.373) 1(114.008,137.135) 1(114.008,137.135) 1(114.008,137.643) 1(114.008,137.643) 1(114.008,137.947) 1(114.008,137.947) 1(114.916,60.401) 1(114.916,60.401) 1(114.916,60.909) 1(114.916,60.909) 1(114.916,64.211) 1(114.916,64.211) 1(114.916,64.719) 1(114.916,64.719) 1(114.916,65.481) 1(114.916,65.481) 1(114.916,65.989) 1(114.916,65.989) 1(114.916,66.751) 1(114.916,66.751) 1(114.916,67.259) 1(114.916,67.259) 1(114.916,68.021) 1(114.916,68.021) 1(114.916,68.529) 1(114.916,68.529) 1(114.916,69.291) 1(114.916,69.291) 1(114.916,69.799) 1(114.916,69.799) 1(115.062,94.412) 1(115.062,94.412) 1(115.062,94.92) 1(115.062,94.92) 1(115.062,95.682) 1(115.062,95.682) 1(115.062,96.19) 1(115.062,96.19) 1(115.062,96.952) 1(115.062,96.952) 1(115.062,97.46) 1(115.062,97.46) 1(115.062,98.222) 1(115.062,98.222) 1(115.062,98.73) 1(115.062,98.73) 1(115.062,99.492) 1(115.062,99.492) 1(115.062,100) 1(115.062,100) 1(115.062,100.762) 1(115.062,100.762) 1(115.062,101.27) 1(115.062,101.27) 1(115.062,102.032) 1(115.062,102.032) 1(115.062,102.54) 1(115.062,102.54) 1(115.062,103.302) 1(115.062,103.302) 1(115.062,103.81) 1(115.062,103.81) 1(115.113,128.245) 1(115.113,128.245) 1(115.113,128.753) 1(115.113,128.753) 1(115.113,129.515) 1(115.113,129.515) 1(115.113,130.023) 1(115.113,130.023) 1(115.113,130.785) 1(115.113,130.785) 1(115.113,131.293) 1(115.113,131.293) 1(115.113,132.055) 1(115.113,132.055) 1(115.113,132.563) 1(115.113,132.563) 1(115.113,133.325) 1(115.113,133.325) 1(115.113,133.833) 1(115.113,133.833) 1(115.113,134.595) 1(115.113,134.595) 1(115.113,135.103) 1(115.113,135.103) 1(115.113,135.865) 1(115.113,135.865) 1(115.113,136.373) 1(115.113,136.373) 1(115.113,137.135) 1(115.113,137.135) 1(115.113,137.643) 1(115.113,137.643) 1(118.974,113.03) 1(118.974,113.03) 1(118.974,117.983) 1(118.974,122.936) 1(118.974,122.936) 1(119.355,79.223) 1(119.355,79.223) 1(119.355,84.176) 1(119.355,89.129) 1(119.355,89.129) 1(119.558,148.082) 1(119.558,148.082) 1(119.558,153.035) 1(119.558,157.988) 1(119.558,157.988) 1(122.276,117.983) 1(122.657,84.176) 1(122.86,153.035) 1(239.154,89.662) 1(239.154,89.662) 1(239.154,99.162) 1(239.154,99.162) 1(241.173,108.179) 1(241.173,108.179) 1(241.173,108.941) 1(241.3,108.179) 1(241.427,108.179) 1(241.554,108.179) 1(241.681,108.179) 1(241.808,83.464) 1(241.808,89.662) 1(241.808,99.162) 1(241.808,105.359) 1(241.808,107.925) 1(241.808,108.941) 1(241.808,108.941) 1(241.808,108.941) 1(241.808,108.941) 1(241.808,108.941) 1(241.808,108.941) 1(241.808,108.941) 1(241.808,108.941) 1(241.808,108.941) 1(241.808,108.941) 1(241.808,109.195) 1(241.935,108.179) 1(242.062,108.179) 1(242.189,108.179) 1(242.316,108.179) 1(242.443,108.179) 1(242.443,108.179) 1(242.443,108.941) 1(244.462,89.662) 1(244.462,89.662) 1(244.462,99.162) 1(244.462,99.162)
  round 0.076 on Mech14: 1(96.749,112.903) 1(96.749,112.903) 1(96.749,123.063) 1(96.749,123.063) 1(97.13,79.096) 1(97.13,79.096) 1(97.13,89.256) 1(97.13,89.256) 1(97.333,147.955) 1(97.333,147.955) 1(97.333,158.115) 1(97.333,158.115) 1(119.101,112.903) 1(119.101,112.903) 1(119.101,123.063) 1(119.101,123.063) 1(119.482,79.096) 1(119.482,79.096) 1(119.482,89.256) 1(119.482,89.256) 1(119.685,147.955) 1(119.685,147.955) 1(119.685,158.115) 1(119.685,158.115) 1(239.027,89.535) 1(239.027,89.535) 1(239.027,99.289) 1(239.027,99.289) 1(241.173,108.179) 1(241.173,108.179) 1(241.173,108.941) 1(241.3,108.179) 1(241.427,108.179) 1(241.554,108.179) 1(241.681,108.179) 1(241.808,107.925) 1(241.808,108.941) 1(241.808,108.941) 1(241.808,108.941) 1(241.808,108.941) 1(241.808,108.941) 1(241.808,108.941) 1(241.808,108.941) 1(241.808,108.941) 1(241.808,108.941) 1(241.808,108.941) 1(241.808,109.195) 1(241.935,108.179) 1(242.062,108.179) 1(242.189,108.179) 1(242.316,108.179) 1(242.443,108.179) 1(242.443,108.179) 1(242.443,108.941) 1(244.589,89.535) 1(244.589,89.535) 1(244.589,99.289) 1(244.589,99.289)
  round 0.076 on Mech6: 1(109.696,59.969) 1(109.696,70.231) 1(109.842,93.98) 1(109.842,104.242) 1(109.893,127.813) 1(109.893,138.074) 1(113.938,59.969) 1(113.938,70.231) 1(114.084,93.98) 1(114.084,104.242) 1(114.135,127.813) 1(114.135,138.074)
  round 0.127 on Mech14: 1(112.649,141.732) 1(112.649,141.732) 1(112.649,144.272) 1(112.649,144.272) 1(112.841,106.985) 1(112.841,106.985) 1(112.841,109.525) 1(112.841,109.525) 1(113.36,73.177) 1(113.36,73.177) 1(113.36,75.717) 1(113.36,75.717) 1(114.173,144.272) 1(114.173,144.272) 1(114.365,109.525) 1(114.365,109.525) 1(114.884,75.717) 1(114.884,75.717) 1(116.205,144.272) 1(116.205,144.272) 1(116.397,109.525) 1(116.397,109.525) 1(116.916,75.717) 1(116.916,75.717) 1(117.729,141.732) 1(117.729,141.732) 1(117.729,144.272) 1(117.729,144.272) 1(117.921,106.985) 1(117.921,106.985) 1(117.921,109.525) 1(117.921,109.525) 1(118.44,73.177) 1(118.44,73.177) 1(118.44,75.717) 1(118.44,75.717)
  round 0.125 on Mech6: 1(129.006,144.849) 1(129.006,145.099) 1(129.59,110.127) 1(129.59,110.377) 1(130.175,76.472) 1(130.175,76.722)
  round 0.25 on Mech6: 1(129.006,144.974) 1(129.59,110.252) 1(130.175,76.597)
  round 2 hole 1: 2(242.468,118.643) 2(242.743,142.66)

## Via types
v1: diameter 1.27, hole 0.711, Top Layer to Bottom Layer, 61 vias
v2: diameter 1.524/1.524 (per signal layer), hole 0.711, Top Layer to Bottom Layer, 39 vias